# Altium PCB CU-ON-OFF-V2-08-11-18.PcbDoc (part 11 of 14)
Units mm, origin at the board's own origin, x right, y up, seen from the top; angles counter-clockwise.
Board outline 213 x 122.62 mm, 2 copper layers (Top Layer, Bottom Layer); 304 components, 53 nets, 991 pads, 702 vias.
Unrouted connection lines stored in the file: 1.
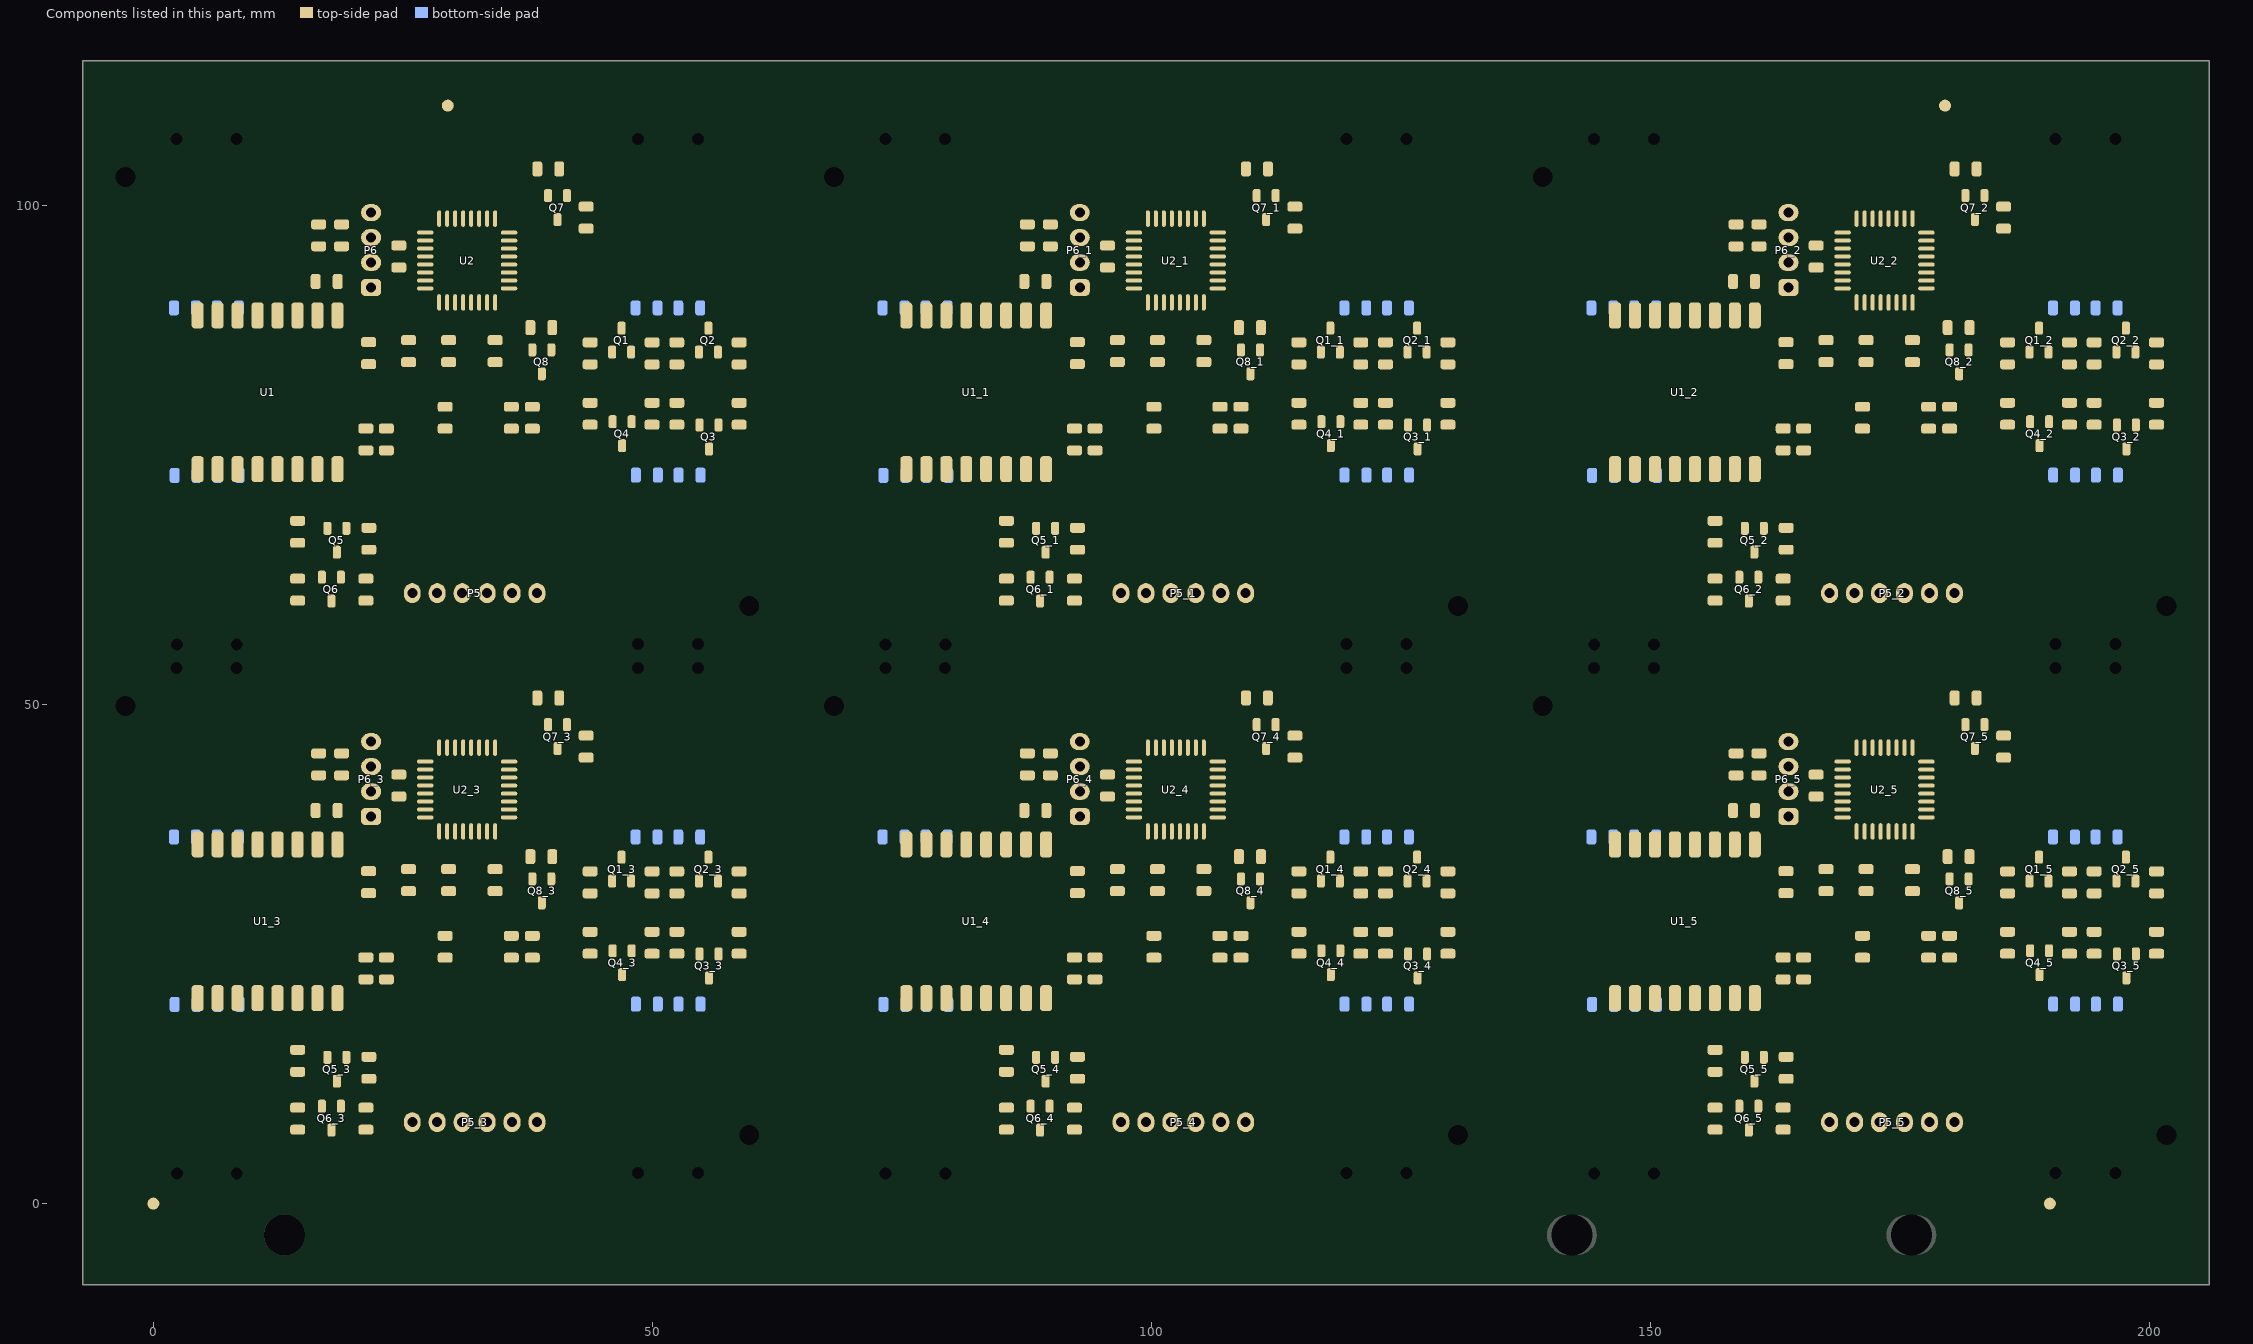
[diagram p11: the components of this part, seen from the top]

## Via types
v1: diameter 0.8, hole 0.5, Top Layer to Bottom Layer, 702 vias

## Nets (pads, with @x,y where several pads share a name; then routed paths per layer and width w, separated by ;. In a path a pad name is that pad's centre, name@x,y a point inside that pad or via, vN(x,y) a via of type N, cw(c..) or ccw(c..) an arc to the next point about the centre after c; other vN are vias at no path point) (continued)
copper on no net: (continued)
  Bottom Layer w0.4: v1@102.016,93.081 ccw(c102.016,92.9) 101.888,93.028 100.916,92.056 cw(c101.942,91.03) 101.942,92.481 v1@102.241,92.481 ; v1(102.791,42.247) 104.301,42.247 105.816,40.732 105.816,36.507 114.048,28.275 119.333,28.275 v1(119.694,27.914) ; v1(102.791,95.246) 104.301,95.246 105.816,93.731 105.816,89.506 114.048,81.274 119.333,81.274 v1(119.694,80.913) ; v1(102.798,43.675) 105.248,43.675 ; v1(102.798,96.674) 105.248,96.674 ; v1@102.932,42.106 cw(c103.274,41.764) 103.274,42.247 cw(c103.274,42.73) v1@102.932,42.388 ; v1@102.932,95.105 cw(c103.274,94.763) 103.274,95.246 cw(c103.274,95.729) v1@102.932,95.387 ; v1@102.939,43.534 cw(c103.281,43.192) 103.281,43.675 cw(c103.281,44.158) v1@102.939,43.816 ; v1@102.939,96.533 cw(c103.281,96.191) 103.281,96.674 cw(c103.281,97.157) v1@102.939,96.815 ; v1@103.159,42.216 cw(c103.218,41.994) v1@103.404,42.129 ; v1@103.159,42.278 ccw(c103.218,42.5) v1@103.404,42.365 ; v1@103.159,95.215 cw(c103.218,94.993) v1@103.404,95.128 ; v1@103.159,95.277 ccw(c103.218,95.499) v1@103.404,95.364 ; 103.166,13.232 cw(c101.657,11.723) 103.791,11.723 103.791,7.982 ; v1@103.166,43.644 cw(c103.225,43.422) v1@103.411,43.557 ; v1@103.166,43.706 ccw(c103.225,43.928) v1@103.411,43.793 ; 103.166,66.231 cw(c101.657,64.722) 103.791,64.722 103.791,60.981 ; v1@103.166,96.643 cw(c103.225,96.421) v1@103.411,96.556 ; v1@103.166,96.705 ccw(c103.225,96.927) v1@103.411,96.792 ; 103.216,43.482 104.769,43.482 cw(c104.769,41.86) 105.916,43.007 ; 103.216,96.481 104.769,96.481 cw(c104.769,94.859) 105.916,96.006 ; v1@103.241,42.057 103.748,42.057 cw(c103.748,40.265) 105.016,41.532 ; v1@103.241,95.056 103.748,95.056 cw(c103.748,93.264) 105.016,94.531 ; 103.291,4.953 104.473,4.953 ccw(c104.473,7.1) 105.991,5.582 ccw(c105.267,6.306) 106.291,6.306 106.291,8.107 ; 103.291,57.952 104.473,57.952 ccw(c104.473,60.099) 105.991,58.581 ccw(c105.267,59.305) 106.291,59.305 106.291,61.106 ; v1@103.425,42.106 ccw(c103.083,41.764) 103.083,42.247 ccw(c103.083,42.73) v1@103.425,42.388 ; v1@103.425,95.105 ccw(c103.083,94.763) 103.083,95.246 ccw(c103.083,95.729) v1@103.425,95.387 ; v1@103.432,43.534 ccw(c103.09,43.192) 103.09,43.675 ccw(c103.09,44.158) v1@103.432,43.816 ; v1@103.432,96.533 ccw(c103.09,96.191) 103.09,96.674 ccw(c103.09,97.157) v1@103.432,96.815 ; v1@103.441,43.857 104.809,43.857 cw(c104.809,43.236) 105.248,43.675 ; v1@103.441,96.856 104.809,96.856 cw(c104.809,96.235) 105.248,96.674 ; v1@103.541,42.457 cw(c103.541,41.129) 104.48,42.068 104.741,41.807 ; v1@103.541,95.456 cw(c103.541,94.128) 104.48,95.067 104.741,94.806 ; v1@103.707,42.106 cw(c104.049,41.764) 104.049,42.247 cw(c104.049,42.73) v1@103.707,42.388 ; v1@103.707,95.105 cw(c104.049,94.763) 104.049,95.246 cw(c104.049,95.729) v1@103.707,95.387 ; v1@103.714,43.534 cw(c104.056,43.192) 104.056,43.675 cw(c104.056,44.158) v1@103.714,43.816 ; v1@103.714,96.533 cw(c104.056,96.191) 104.056,96.674 cw(c104.056,97.157) v1@103.714,96.815 ; 103.841,45.7 cw(c103.841,43.486) 105.406,45.052 106.491,43.967 ; 103.841,98.699 cw(c103.841,96.485) 105.406,98.051 106.491,96.966 ; 103.981,8.767 ccw(c102.872,9.876) 104.441,9.876 ccw(c106.01,9.876) 104.901,8.767 ; 103.981,61.766 ccw(c102.872,62.875) 104.441,62.875 ccw(c106.01,62.875) 104.901,61.766 ; 104.091,12.282 cw(c103.91,12.101) 104.166,12.101 104.166,8.757 ; 104.091,65.281 cw(c103.91,65.1) 104.166,65.1 104.166,61.756 ; 104.316,32.282 cw(c104.316,29.928) 105.98,31.593 v1@108.916,28.657 ; 104.316,85.281 cw(c104.316,82.927) 105.98,84.592 v1@108.916,81.656 ; 104.441,8.157 104.441,11.957 ; 104.441,61.156 104.441,64.956 ; 104.616,11.507 cw(c104.254,11.145) 104.766,11.145 104.766,8.582 ; 104.616,64.506 cw(c104.254,64.144) 104.766,64.144 104.766,61.581 ; 105.091,8.282 105.091,10.388 ccw(c102.872,10.388) 104.441,11.957 ; 105.091,61.281 105.091,63.387 ccw(c102.872,63.387) 104.441,64.956 ; 106.316,7.182 106.316,10.548 ; 106.316,60.181 106.316,63.547 ; 106.481,7.547 cw(c105.372,6.438) 106.941,6.438 cw(c108.51,6.438) 107.401,7.547 ; 106.481,8.767 ccw(c105.372,9.876) 106.941,9.876 ccw(c108.51,9.876) 107.401,8.767 ; 106.481,60.546 cw(c105.372,59.437) 106.941,59.437 cw(c108.51,59.437) 107.401,60.546 ; 106.481,61.766 ccw(c105.372,62.875) 106.941,62.875 ccw(c108.51,62.875) 107.401,61.766 ; 106.516,11.757 cw(c107.361,11.757) 106.763,12.355 118.453,24.044 cw(c118.666,23.83) 118.666,24.132 ; 106.516,64.756 cw(c107.361,64.756) 106.763,65.353 118.453,77.043 cw(c118.666,76.829) 118.666,77.131 ; 106.566,8.807 106.566,11.245 cw(c107.078,11.245) 106.716,11.607 ; 106.566,61.806 106.566,64.244 cw(c107.078,64.244) 106.716,64.606 ; v1@107.124,36.948 ccw(c106.783,37.29) 107.266,37.29 ccw(c107.749,37.29) v1@107.407,36.948 ; v1@107.124,37.441 cw(c106.783,37.099) 107.266,37.099 cw(c107.749,37.099) v1@107.407,37.441 ; v1@107.124,89.947 ccw(c106.783,90.289) 107.266,90.289 ccw(c107.749,90.289) v1@107.407,89.947 ; v1@107.124,90.44 cw(c106.783,90.098) 107.266,90.098 cw(c107.749,90.098) v1@107.407,90.44 ; v1@107.148,36.969 ccw(c107.013,37.155) v1@107.235,37.214 ; v1@107.148,89.968 ccw(c107.013,90.154) v1@107.235,90.213 ; v1(107.266,37.582) 107.266,36.557 114.698,29.125 122.095,29.125 ; v1(107.266,90.581) 107.266,89.556 114.698,82.124 122.095,82.124 ; 107.291,8.632 107.291,12.17 cw(c107.803,12.17) 107.441,12.532 ; 107.291,61.631 107.291,65.169 cw(c107.803,65.169) 107.441,65.531 ; v1@107.297,37.214 ccw(c107.519,37.155) v1@107.384,36.969 ; v1@107.297,90.213 ccw(c107.519,90.154) v1@107.384,89.968 ; v1@107.466,36.807 ccw(c108.552,36.807) 107.784,36.039 ; v1@107.466,89.806 ccw(c108.552,89.806) 107.784,89.038 ; v1@107.566,36.807 ccw(c108.894,36.807) 107.955,35.868 108.316,35.507 ; v1@107.566,89.806 ccw(c108.894,89.806) 107.955,88.867 108.316,88.506 ; 107.666,47.032 ccw(c109.597,48.963) 109.597,46.232 v1@110.566,46.232 ; 107.666,100.031 ccw(c109.597,101.962) 109.597,99.231 v1@110.566,99.231 ; v1@108.009,50.325 ccw(c107.527,50.325) 107.868,50.666 ccw(c108.209,51.008) v1@108.209,50.525 ; v1@108.009,103.324 ccw(c107.527,103.324) 107.868,103.665 ccw(c108.209,104.007) v1@108.209,103.524 ; v1@108.016,50.107 107.594,50.529 ccw(c106.216,49.152) 106.216,51.1 v1@108.191,51.407 ; v1@108.016,51.332 cw(c107.456,51.892) 107.456,51.1 107.434,51.1 ; v1@108.016,103.106 107.594,103.528 ccw(c106.216,102.151) 106.216,104.099 v1@108.191,104.406 ; v1@108.016,104.331 cw(c107.456,104.891) 107.456,104.099 107.434,104.099 ; v1(108.209,50.325) 107.434,51.1 ; v1(108.209,103.324) 107.434,104.099 ; 108.316,13.432 ccw(c110.066,11.682) 107.591,11.682 107.591,8.232 107.591,5.619 cw(c107.079,5.619) 107.441,5.257 cw(c106.708,5.99) 106.708,4.953 105.637,4.953 ; 108.316,66.431 ccw(c110.066,64.681) 107.591,64.681 107.591,61.231 107.591,58.618 cw(c107.079,58.618) 107.441,58.256 cw(c106.708,58.989) 106.708,57.952 105.637,57.952 ; v1@108.674,36.973 ccw(c108.333,37.315) 108.816,37.315 ccw(c109.299,37.315) v1@108.957,36.973 ; v1@108.674,37.466 cw(c108.333,37.124) 108.816,37.124 cw(c109.299,37.124) v1@108.957,37.466 ; v1@108.674,89.972 ccw(c108.333,90.314) 108.816,90.314 ccw(c109.299,90.314) v1@108.957,89.972 ; v1@108.674,90.465 cw(c108.333,90.123) 108.816,90.123 cw(c109.299,90.123) v1@108.957,90.465 ; v1@108.698,36.994 ccw(c108.563,37.18) v1@108.785,37.239 ; v1@108.698,89.993 ccw(c108.563,90.179) v1@108.785,90.238 ; 108.714,29.309 cw(c108.287,28.882) v1@108.891,28.882 ; 108.714,82.308 cw(c108.287,81.881) v1@108.891,81.881 ; v1(108.816,37.607) 108.816,36.507 115.158,30.165 v1@115.158,30.163 ; v1(108.816,90.606) 108.816,89.506 115.158,83.164 v1@115.158,83.162 ; v1@108.847,37.239 ccw(c109.069,37.18) v1@108.934,36.994 ; v1@108.847,90.238 ccw(c109.069,90.179) v1@108.934,89.993 ; v1@109.016,36.832 ccw(c110.283,36.832) 109.387,35.936 ; v1@109.016,89.831 ccw(c110.283,89.831) 109.387,88.935 ; v1@109.116,36.832 ccw(c110.625,36.832) 109.558,35.765 110.416,34.907 ; v1@109.116,89.831 ccw(c110.625,89.831) 109.558,88.764 110.416,87.906 ; v1@109.153,28.87 105.741,32.282 ; v1@109.153,81.869 105.741,85.281 ; 109.566,8.682 110.916,8.682 ; 109.566,61.681 110.916,61.681 ; v1@110.041,29.157 107.747,31.451 ccw(c105.741,29.445) 105.741,32.282 ; v1@110.041,82.156 107.747,84.45 ccw(c105.741,82.444) 105.741,85.281 ; v1@110.43,45.807 ccw(c110.088,45.465) 110.088,45.948 ccw(c110.088,46.431) v1@110.43,46.089 ; v1@110.43,98.806 ccw(c110.088,98.464) 110.088,98.947 ccw(c110.088,99.43) v1@110.43,99.088 ; v1@110.466,27.532 ccw(c110.466,28.136) 110.893,27.709 110.916,27.732 ccw(c110.192,28.456) 111.216,28.456 111.216,29.057 ccw(c110.069,29.057) 110.88,29.868 110.516,30.232 ; v1@110.466,80.531 ccw(c110.466,81.135) 110.893,80.708 110.916,80.731 ccw(c110.192,81.455) 111.216,81.455 111.216,82.056 ccw(c110.069,82.056) 110.88,82.867 110.516,83.231 ; v1@110.566,44.882 cw(c110.566,46.693) 109.286,45.412 108.75,45.948 ; v1@110.566,97.881 cw(c110.566,99.692) 109.286,98.411 108.75,98.947 ; v1(110.571,45.948) 108.75,45.948 ; v1(110.571,98.947) 108.75,98.947 ; 110.765,10.282 110.007,9.524 ccw(c111.374,8.157) 109.441,8.157 cw(c109.441,7.192) 110.124,7.874 110.916,7.082 ; 110.765,63.281 110.007,62.523 ccw(c111.374,61.156) 109.441,61.156 cw(c109.441,60.19) 110.124,60.873 110.916,60.081 ; v1(111.341,26.482) v1(111.341,27.257) ; v1(111.341,79.481) v1(111.341,80.256) ; v1@112.491,50.082 113.883,48.69 cw(c112.474,47.282) 114.466,47.282 ; v1@112.491,103.081 113.883,101.689 cw(c112.474,100.281) 114.466,100.281 ; v1@112.722,50.065 cw(c112.722,49.412) 113.184,49.874 ; v1@112.722,103.064 cw(c112.722,102.411) 113.184,102.873 ; v1@112.758,50.3 114.466,48.592 114.466,35.992 ; v1@112.758,103.299 114.466,101.591 114.466,88.991 ; 112.856,27.257 v1(111.341,27.257) ; 112.856,80.256 v1(111.341,80.256) ; 113.016,50.732 ccw(c114.682,50.732) 113.504,49.554 114.401,48.657 ; 113.016,103.731 ccw(c114.682,103.731) 113.504,102.553 114.401,101.656 ; 114.466,38.332 114.466,37.299 ccw(c116.258,37.299) 114.991,36.032 ; 114.466,91.331 114.466,90.298 ccw(c116.258,90.298) 114.991,89.031 ; v1@115.466,29.982 cw(c115.466,30.284) 115.253,30.07 114.555,30.768 ccw(c115.516,31.729) v1@115.516,30.37 ; v1@115.466,82.981 cw(c115.466,83.283) 115.253,83.069 114.555,83.767 ccw(c115.516,84.728) v1@115.516,83.369 ; v1(115.516,30.17) v1(116.291,30.17) ; v1(115.516,83.169) v1(116.291,83.169) ; v1@115.657,30.029 cw(c115.999,29.687) 115.999,30.17 cw(c115.999,30.653) v1@115.657,30.311 ; v1@115.657,83.028 cw(c115.999,82.686) 115.999,83.169 cw(c115.999,83.652) v1@115.657,83.31 ; v1@115.884,30.139 cw(c115.943,29.917) v1@116.129,30.052 ; v1@115.884,30.201 ccw(c115.943,30.423) v1@116.129,30.288 ; v1@115.884,83.138 cw(c115.943,82.916) v1@116.129,83.051 ; v1@115.884,83.2 ccw(c115.943,83.422) v1@116.129,83.287 ; 115.983,27.173 cw(c115.988,27.167) 115.988,27.175 v1(117.008,27.175) ; 115.983,80.172 cw(c115.988,80.166) 115.988,80.174 v1(117.008,80.174) ; v1@116.149,30.029 ccw(c115.808,29.687) 115.808,30.17 ccw(c115.808,30.653) v1@116.149,30.311 ; v1@116.149,83.028 ccw(c115.808,82.686) 115.808,83.169 ccw(c115.808,83.652) v1@116.149,83.31 ; 116.991,33.757 117.254,33.494 ccw(c117.766,34.006) 117.766,33.282 ; 116.991,86.756 117.254,86.493 ccw(c117.766,87.005) 117.766,86.281 ; 117.566,28.275 cw(c117.566,26.87) 118.559,27.864 v1@119.491,26.932 ; 117.566,81.274 cw(c117.566,79.869) 118.559,80.863 v1@119.491,79.931 ; v1@117.973,20.531 cw(c118.281,19.871) 118.797,20.386 ; v1@117.973,73.53 cw(c118.281,72.87) 118.797,73.385 ; 117.991,23.107 118.318,23.434 cw(c120.486,21.266) 120.486,24.332 121.141,24.332 ; 117.991,76.106 118.318,76.433 cw(c120.486,74.265) 120.486,77.331 121.141,77.331 ; v1@118.058,20.925 cw(c118.058,20.442) 118.399,20.784 cw(c118.741,21.125) v1@118.258,21.125 ; v1(118.058,21.125) 119.201,19.982 ; v1@118.058,73.924 cw(c118.058,73.441) 118.399,73.783 cw(c118.741,74.124) v1@118.258,74.124 ; v1(118.058,74.124) 119.201,72.981 ; v1@118.142,20.169 cw(c118.538,19.319) 119.201,19.982 ; v1@118.142,73.168 cw(c118.538,72.318) 119.201,72.981 ; v1@118.163,21.02 ccw(c119.341,22.198) 119.341,20.532 ; v1@118.163,74.019 ccw(c119.341,75.197) 119.341,73.531 ; v1@118.241,21.282 118.701,20.822 ccw(c119.341,21.462) 119.341,20.557 ; v1@118.241,74.281 118.701,73.821 ccw(c119.341,74.461) 119.341,73.556 ; v1@118.251,21.177 ccw(c118.844,21.336) 118.537,20.804 ; v1@118.251,74.176 ccw(c118.844,74.335) 118.537,73.803 ; 118.591,28.182 119.592,27.181 ccw(c119.694,27.283) v1(119.694,27.139) ; 118.591,81.181 119.592,80.18 ccw(c119.694,80.282) v1(119.694,80.137) ; v1@118.616,34.907 118.616,37.016 cw(c118.957,37.016) 118.716,37.257 cw(c118.776,37.197) 118.776,37.282 119.091,37.282 ; v1@118.616,87.906 118.616,90.015 cw(c118.957,90.015) 118.716,90.256 cw(c118.776,90.196) 118.776,90.281 119.091,90.281 ; v1(118.796,35.125) 119.316,35.645 ; v1@118.796,35.325 ccw(c118.796,35.808) 119.137,35.466 ccw(c119.479,35.125) 118.996,35.125 118.996,35.918 ccw(c118.552,35.918) 118.866,36.232 ; v1(118.796,88.124) 119.316,88.644 ; v1@118.796,88.324 ccw(c118.796,88.807) 119.137,88.465 ccw(c119.479,88.124) 118.996,88.124 118.996,88.917 ccw(c118.552,88.917) 118.866,89.231 ; 118.846,20.337 ccw(c119.341,20.832) 119.341,20.132 ; 118.846,73.336 ccw(c119.341,73.831) 119.341,73.131 ; v1(118.858,31.15) 118.971,31.263 127.432,31.263 v1(127.545,31.15) ; v1(118.858,84.149) 118.971,84.262 127.432,84.262 v1(127.545,84.149) ; 119.104,36.27 cw(c118.592,35.758) 119.316,35.758 cw(c120.04,35.758) 119.528,36.27 ; 119.104,89.269 cw(c118.592,88.757) 119.316,88.757 cw(c120.04,88.757) 119.528,89.269 ; 119.141,33.227 118.616,33.227 cw(c118.616,35.207) 117.216,33.807 105.722,45.301 ccw(c104.077,43.655) 104.077,45.982 ; 119.141,86.226 118.616,86.226 cw(c118.616,88.206) 117.216,86.806 105.722,98.299 ccw(c104.077,96.654) 104.077,98.981 ; 119.304,28.275 cw(c119.304,27.524) v1@119.836,28.055 ; 119.304,81.274 cw(c119.304,80.523) v1@119.836,81.054 ; 119.316,36.732 119.316,35.645 ; 119.316,89.731 119.316,88.644 ; 119.341,19.982 119.201,19.982 ; 119.341,72.981 119.201,72.981 ; v1@119.553,27.772 ccw(c118.339,26.558) 118.339,28.275 119.646,28.275 cw(c119.646,27.787) v1@119.991,28.132 ; v1@119.553,80.771 ccw(c118.339,79.557) 118.339,81.274 119.646,81.274 cw(c119.646,80.786) v1@119.991,81.131 ; 119.616,36.232 cw(c118.923,36.232) 119.413,35.742 119.316,35.645 ; 119.616,89.231 cw(c118.923,89.231) 119.413,88.741 119.316,88.644 ; v1@120.441,34.607 120.605,34.771 ccw(c119.129,36.247) 121.216,36.247 cw(c121.301,36.247) 121.241,36.307 ; v1@120.441,87.606 120.605,87.77 ccw(c119.129,89.246) 121.216,89.246 cw(c121.301,89.246) 121.241,89.306 ; 120.816,29.125 ccw(c120.816,31.462) 122.468,29.81 123.016,30.357 123.431,30.357 cw(c123.431,30.272) v1@123.491,30.332 ; 120.816,82.124 ccw(c120.816,84.461) 122.468,82.809 123.016,83.356 123.431,83.356 cw(c123.431,83.271) v1@123.491,83.331 ; v1@120.941,34.632 ccw(c120.337,35.236) 121.191,35.236 121.191,35.507 ; v1@120.941,87.631 ccw(c120.337,88.235) 121.191,88.235 121.191,88.506 ; v1@121.141,34.282 121.485,34.282 ccw(c121.485,34.538) 121.666,34.357 ccw(c121.364,34.659) 121.791,34.659 121.791,36.757 ; v1@121.141,87.281 121.485,87.281 ccw(c121.485,87.537) 121.666,87.356 ccw(c121.364,87.658) 121.791,87.658 121.791,89.756 ; 121.166,19.932 121.166,19.492 ccw(c121.251,19.492) 121.191,19.432 ; 121.166,72.931 121.166,72.491 ccw(c121.251,72.491) 121.191,72.431 ; v1@121.216,34.616 ccw(c120.875,34.958) 121.358,34.958 ccw(c121.841,34.958) 121.499,34.616 ccw(c121.278,34.838) 121.591,34.838 121.591,35.907 ; v1@121.216,87.615 ccw(c120.875,87.957) 121.358,87.957 ccw(c121.841,87.957) 121.499,87.615 ccw(c121.278,87.837) 121.591,87.837 121.591,88.906 ; v1@121.317,22.084 cw(c120.775,21.542) 121.541,21.542 ; v1@121.317,22.366 ccw(c120.775,22.908) v1@121.541,22.908 ; v1@121.317,22.859 cw(c120.775,22.317) v1@121.541,22.317 ; v1@121.317,75.083 cw(c120.775,74.541) 121.541,74.541 ; v1@121.317,75.365 ccw(c120.775,75.907) v1@121.541,75.907 ; v1@121.317,75.858 cw(c120.775,75.316) v1@121.541,75.316 ; 121.329,20.444 ccw(c120.817,20.956) 121.541,20.956 ccw(c122.265,20.956) 121.753,20.444 ; 121.329,73.443 ccw(c120.817,73.955) 121.541,73.955 ccw(c122.265,73.955) 121.753,73.443 ; v1(121.358,34.475) 121.358,36.574 121.516,36.732 ; 121.358,35.376 cw(c122.622,35.376) 121.728,36.27 ; v1(121.358,87.474) 121.358,89.573 121.516,89.731 ; 121.358,88.375 cw(c122.622,88.375) 121.728,89.269 ; v1(121.458,23) 121.541,22.917 121.541,21.369 121.541,19.982 ; v1(121.458,75.999) 121.541,75.916 121.541,74.368 121.541,72.981 ; 121.816,24.332 119.2,24.332 ccw(c119.2,22.198) 117.691,23.707 ; 121.816,77.331 119.2,77.331 ccw(c119.2,75.197) 117.691,76.706 ; v1@122.933,30.163 cw(c122.45,30.163) 122.792,29.822 cw(c123.133,29.48) v1@123.133,29.963 ; v1@122.933,83.162 cw(c122.45,83.162) 122.792,82.821 cw(c123.133,82.479) v1@123.133,82.962 ; v1(123.133,30.163) 122.095,29.125 ; v1(123.133,83.162) 122.095,82.124 ; v1@123.141,22.182 123.141,19.517 ccw(c123.226,19.517) 123.166,19.457 ccw(c123.226,19.517) 123.226,19.432 123.491,19.432 ; v1@123.141,75.181 123.141,72.516 ccw(c123.226,72.516) 123.166,72.456 ccw(c123.226,72.516) 123.226,72.431 123.491,72.431 ; v1@123.191,22.057 cw(c122.889,21.755) 123.316,21.755 123.316,20.613 ccw(c123.572,20.613) 123.391,20.432 ccw(c123.451,20.372) 123.366,20.372 123.366,20.182 ; v1@123.191,75.056 cw(c122.889,74.754) 123.316,74.754 123.316,73.612 ccw(c123.572,73.612) 123.391,73.431 ccw(c123.451,73.371) 123.366,73.371 123.366,73.181 ; 123.291,36.932 123.291,36.166 ccw(c125.185,36.166) 123.846,34.827 ; 123.291,89.931 123.291,89.165 ccw(c125.185,89.165) 123.846,87.826 ; v1@123.292,22.084 cw(c122.508,21.3) 123.616,21.3 ; v1@123.292,22.859 cw(c122.508,22.075) v1@123.616,22.075 ; v1@123.292,75.083 cw(c122.508,74.299) 123.616,74.299 ; v1@123.292,75.858 cw(c122.508,75.074) v1@123.616,75.074 ; v1@123.351,22.407 ccw(c123.167,22.817) v1@123.616,22.817 ; v1@123.351,75.406 ccw(c123.167,75.816) v1@123.616,75.816 ; 123.379,36.27 cw(c122.867,35.758) 123.591,35.758 cw(c124.315,35.758) 123.803,36.27 ; 123.379,89.269 cw(c122.867,88.757) 123.591,88.757 ; 123.404,20.444 ccw(c122.892,20.956) 123.616,20.956 ccw(c124.34,20.956) 123.828,20.444 ; 123.404,73.443 ccw(c122.892,73.955) 123.616,73.955 ccw(c124.34,73.955) 123.828,73.443 ; v1(123.433,23) v1@123.616,22.817 ; v1(123.433,75.999) v1@123.616,75.816 ; 123.591,36.732 123.591,35.757 124.998,34.35 ; 123.591,89.731 123.591,88.756 ; 123.616,19.982 123.616,21.269 v1@123.616,22.817 ; 123.616,72.981 123.616,74.268 v1@123.616,75.816 ; 123.741,22.507 123.741,20.95 ccw(c124.268,20.95) 123.895,20.578 123.916,20.557 ; 123.741,75.506 123.741,73.949 ccw(c124.268,73.949) 123.895,73.577 123.916,73.556 ; 123.803,89.269 ccw(c124.315,88.757) 123.591,88.757 ; 123.891,36.482 123.891,36.056 ccw(c124.915,36.056) 124.191,35.332 ccw(c125.036,36.177) 125.036,34.982 126.617,34.982 ccw(c126.617,36.006) v1@127.341,35.282 ; 123.891,89.481 123.891,89.055 ccw(c124.915,89.055) 124.191,88.331 ccw(c125.036,89.176) 125.036,87.981 126.617,87.981 ccw(c126.617,89.005) v1@127.341,88.281 ; v1@124.066,30.282 cw(c123.945,30.161) 124.116,30.161 124.116,29.317 cw(c124.031,29.317) 124.091,29.257 cw(c123.772,29.576) 123.772,29.125 122.095,29.125 ; v1@124.066,83.281 cw(c123.945,83.16) 124.116,83.16 124.116,82.316 cw(c124.031,82.316) 124.091,82.256 cw(c123.772,82.575) 123.772,82.124 122.095,82.124 ; v1@125.316,22.082 cw(c124.833,21.599) 125.516,21.599 125.516,20.613 ccw(c125.772,20.613) 125.591,20.432 ccw(c125.712,20.311) 125.541,20.311 125.541,20.107 ; v1@125.316,75.081 cw(c124.833,74.598) 125.516,74.598 125.516,73.612 ccw(c125.772,73.612) 125.591,73.431 ccw(c125.712,73.31) 125.541,73.31 125.541,73.106 ; v1@125.442,22.084 cw(c124.538,21.18) 125.816,21.18 ; v1@125.442,22.859 cw(c124.538,21.955) v1@125.816,21.955 ; v1@125.442,75.083 cw(c124.538,74.179) 125.816,74.179 ; v1@125.442,75.858 cw(c124.538,74.954) v1@125.816,74.954 ; v1@125.539,22.42 ccw(c125.46,22.767) v1@125.816,22.767 ; v1@125.539,75.419 ccw(c125.46,75.766) v1@125.816,75.766 ; v1(125.583,23) v1@125.816,22.767 ; v1(125.583,75.999) v1@125.816,75.766 ; v1@125.591,23.307 125.75,23.307 cw(c125.75,22.966) 125.991,23.207 cw(c125.75,22.966) 126.091,22.966 126.091,19.932 ; v1@125.591,76.306 125.75,76.306 